# Altium PCB VCU_LAYOUT.PcbDoc (part 1 of 3) (continued)
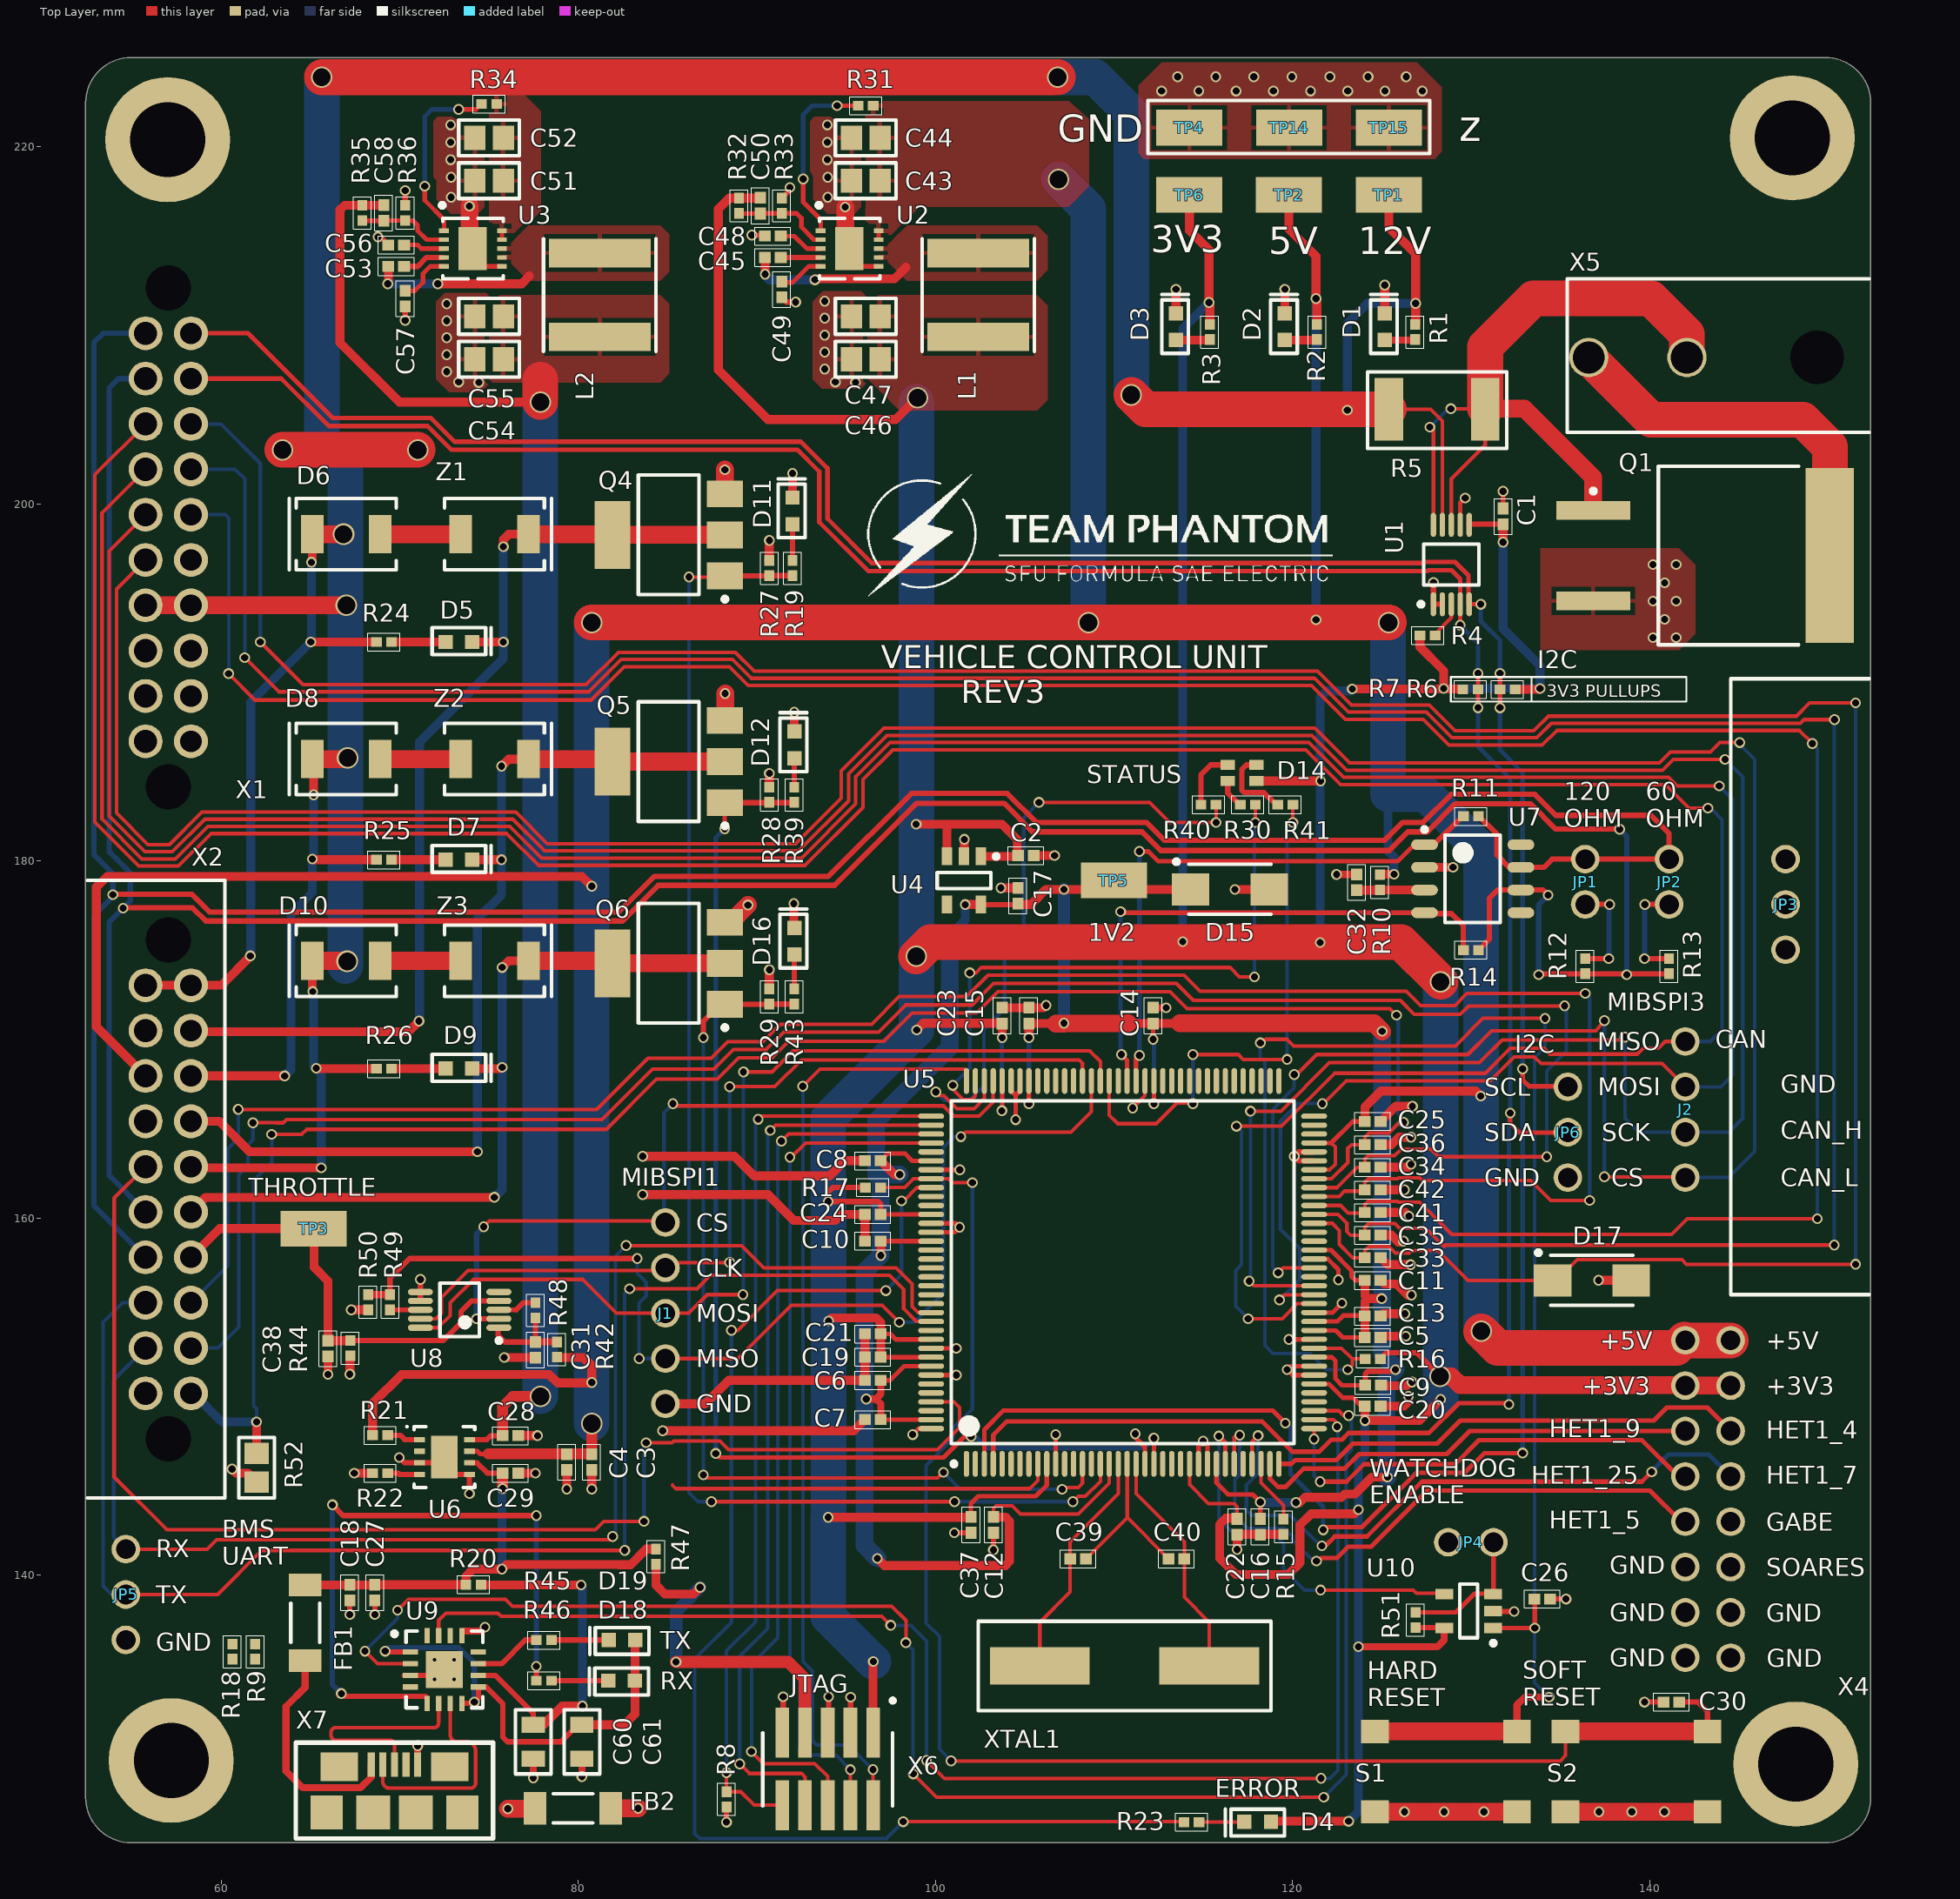
[diagram p0: Top Layer view]
## Part data (continued)
D17: library part SMAJ5.0A, "DIODE TVS_6V4 5VWM 9.2VC SMA", Clamping Voltage=9.2V, Leakage Current=800uA, Manufacturer=Littelfuse, Max Breakdown Voltage=7V, Max Operating Temperature=150°C, Max Power Dissipation=3.3W, Max Surge Current=43.5A, Min Operating Temperature=-65°C, Operating Supply Voltage=5V, Package Quantity=5000, Peak Pulse Power=400W, Power Line Protection=No, Supplier Part Number 1=SMAJ5.0ALFCT-ND, Test Current=10mA, Breakdown Voltage=6.4V, ComponentLink1Description=https://datasheet.ciiva.com/330/littelfuse-tvs-diode-smaj-datasheet-pdf-330724.pdf, ComponentLink1URL=https://datasheet.ciiva.com/330/littelfuse-tvs-diode-smaj-datasheet-pdf-330724.pdf, ComponentLink2Description=https://datasheet.ciiva.com/330/littelfuse-tvs-diode-smaj-datasheet-pdf-330725.pdf, ComponentLink2URL=https://datasheet.ciiva.com/330/littelfuse-tvs-diode-smaj-datasheet-pdf-330725.pdf, ComponentLink3Description=https://datasheet.ciiva.com/330/littelfuse-tvs-diode-smaj-datasheet-pdf-330726.pdf, ComponentLink3URL=https://datasheet.ciiva.com/330/littelfuse-tvs-diode-smaj-datasheet-pdf-330726.pdf, ComponentLink4Description=https://datasheet.ciiva.com/16380/littelfuse-tvs-diode-smaj-16380982.pdf, ComponentLink4URL=https://datasheet.ciiva.com/16380/littelfuse-tvs-diode-smaj-16380982.pdf, ComponentLink5Description=https://datasheet.ciiva.com/25624/0900766b810f4edb-25624839.pdf, ComponentLink5URL=https://datasheet.ciiva.com/25624/0900766b810f4edb-25624839.pdf, ComponentLink6Description=https://datasheet.ciiva.com/28473/607617-28473433.pdf, ComponentLink6URL=https://datasheet.ciiva.com/28473/607617-28473433.pdf, ComponentLink7Description=https://datasheet.ciiva.com/4507/littelfuse-tvs-diode-smaj-23503-4507964.pdf, ComponentLink7URL=https://datasheet.ciiva.com/4507/littelfuse-tvs-diode-smaj-23503-4507964.pdf, ComponentLink8Description=https://datasheet.ciiva.com/8062/littelfuse-tvs-diode-smaj-8062271.pdf, ComponentLink8URL=https://datasheet.ciiva.com/8062/littelfuse-tvs-diode-smaj-8062271.pdf, Direction=Unidirectional, Element Configuration=Single, Height=2.087mm, Lead Free="Lead Free", Length=4.5mm, Manufacturer Part Number=SMAJ5.0A, Max Reverse Leakage Current=800uA, Min Breakdown Voltage=6.4V, Mount="Surface Mount", Number of Channels=1, Number of Elements=1, Number of Pins=2, Number of Unidirectional Channels=1, Packaging="Tape and Reel", Peak Pulse Current=43.5A, Polarity=Unidirectional, Power Dissipation=400W, Pricing 1="1=0.51, 10=0.359, 25=0.2948, 100=0.2359, 250=0.1716, 500=0.1394, 1000=0.1072, 2500=0.0965 (USD)", Radiation Hardening=No, REACH SVHC="No SVHC", Reverse Breakdown Voltage=6.4V, Reverse Standoff Voltage=5V, Stock 1=78251, Supplier 1=Digi-Key, Termination=SMD/SMT, Voltage Rating (DC)=5V, Width=2.79mm
FB1 FB2: library part FBMJ4516HL230NTV, "FERRITE BEAD Ind Chip Bead Multi-Layer 23Ohm 30% 100MHz Ferrite 3.5A 1806 T/R", Case/Package=1806, Case Code (Metric)=4516, DC Resistance (DCR)=14mR, Manufacturer="Taiyo Yuden", Max Current Rating=3.5A, Max Operating Temperature=125°C, Min Operating Temperature=-40°C, Package Quantity=2000, Resistance=180623R, Supplier Part Number 1=587-3857-1-ND, Test Frequency=100MHz, Tolerance=30%, Case Code (Imperial)=1806, ComponentLink1Description=http://www.mouser.com/ds/2/396/chipbeads01_e-559265.pdf, ComponentLink1URL=http://www.mouser.com/ds/2/396/chipbeads01_e-559265.pdf, ComponentLink2Description=http://ds.yuden.co.jp/TYCOMPAS/ut/detail.do?productNo=FBMJ4516HL230NTV&fileName=FBMJ4516HL230NTV_SS&mode=specSheetDownload, ComponentLink2URL=http://ds.yuden.co.jp/TYCOMPAS/ut/detail.do?productNo=FBMJ4516HL230NTV&fileName=FBMJ4516HL230NTV_SS&mode=specSheetDownload, ComponentLink3Description=https://www.yuden.co.jp/ut/product/category/emisuppression/FBMJ4516HL230NTV_SS.pdf, ComponentLink3URL=https://www.yuden.co.jp/ut/product/category/emisuppression/FBMJ4516HL230NTV_SS.pdf, Core Material=Ferrite, Depth=1.6mm, Height=1.1mm, Impedance=23R, Length=0.177inch, Manufacturer Part Number=FBMJ4516HL230NTV, Max DC Current=3.5A, Mount="Surface Mount", Number of Lines=1, Packaging="Tape and Reel", Pricing 1="1=0.26, 10=0.202, 25=0.1676, 50=0.1444, 100=0.1299, 250=0.1097, 500=0.0982, 1000=0.0837 (USD)", Stock 1=1819, Supplier 1=Digi-Key, Termination=SMD/SMT, Width=1.6mm
J1: "CONN_HeaderPins5pos WURTH ELEKTRONIK         61300511121            Board-To-Board Connector, Vertical, WR-PHD Series, Through Hole, Header, 5 Contacts, 2.54 mm", Color=Black, Manufacturer="Wurth Electronics", Supplier Part Number 1=732-5318-ND, Connector Type="Male Pin", Contact Material=Copper, Contact Mating Length=0.236inch, Contact Plating=Gold, Gender=Male, Lead Free="Lead Free", Manufacturer Part Number=61300511121, Mount="Through Hole", Number of Contacts=5, Number of Positions=5, Number of Rows=1, Packaging=Bulk, Pitch=0.1inch, Pricing 1="1=0.25, 10=0.209, 25=0.174, 50=0.145, 100=0.132, 1000=0.12 (USD)", REACH SVHC=Unknown, Stock 1=20896, Supplier 1=Digi-Key, Termination=Solder
J2: "CONN_HeaderPins4pos WURTH ELEKTRONIK         61300411121            Board-To-Board Connector, Vertical, WR-PHD Series, Through Hole, Header, 4 Contacts, 2.54 mm", Color=Black, Manufacturer="Wurth Electronics", Supplier Part Number 1=732-5317-ND, Connector Type="Male Pin", Contact Material=Copper, Contact Mating Length=0.236inch, Contact Plating=Gold, Gender=Male, Lead Free="Lead Free", Manufacturer Part Number=61300411121, Mount="Through Hole", Number of Contacts=4, Number of Positions=4, Number of Rows=1, Packaging=Bulk, Pitch=0.1inch, Pricing 1="1=0.18, 10=0.153, 25=0.1272, 50=0.106, 100=0.096, 1000=0.088 (USD)", REACH SVHC=Unknown, Stock 1=35015, Supplier 1=Digi-Key, Termination=Solder
JP1 JP2 JP4: library part M20-9990246, "CONN_HeaderPins2pos Headers & Wire Housings 02 SIL VERTICAL PIN HEADER TIN", Case/Package=SIL, Colour=Black, Contact Resistance=30mR, Current Rating=3A, Insulation Resistance=10GR, Manufacturer=Harwin, Max Operating Temperature=105°C, Min Operating Temperature=-40°C, Package Quantity=1000, Voltage Rating (AC)=750V, ComponentLink1Description=https://datasheet.ciiva.com/8046/315376-8046930.pdf, ComponentLink1URL=https://datasheet.ciiva.com/8046/315376-8046930.pdf, ComponentLink2Description=https://datasheet.ciiva.com/6833/m20-999-6833368.pdf, ComponentLink2URL=https://datasheet.ciiva.com/6833/m20-999-6833368.pdf, ComponentLink3Description=https://datasheet.ciiva.com/11745/0900766b81034e61-11745755.pdf, ComponentLink3URL=https://datasheet.ciiva.com/11745/0900766b81034e61-11745755.pdf, ComponentLink4Description=https://datasheet.ciiva.com/22660/1830818-22660571.pdf, ComponentLink4URL=https://datasheet.ciiva.com/22660/1830818-22660571.pdf, ComponentLink5Description=https://datasheet.ciiva.com/26852/getdatasheetpartid-384170-26852203.pdf, ComponentLink5URL=https://datasheet.ciiva.com/26852/getdatasheetpartid-384170-26852203.pdf, Connector Type="Male Pin", Contact Material=Bronze,Brass, Contact Mating Length=0.24inch, Contact Plating=Tin, Depth=2.54mm, Gender=Male, Housing Colour=Black, Housing Material=Nylon, Length=5.08mm, Manufacturer Part Number=M20-9990246, Max Current Rating=3A, Number of Contacts=2, Number of Positions=2, Number of Rows=1, Orientation=Straight, Packaging=Bulk, Pitch=2.54mm, Pricing 1="1=0.11, 10=0.099, 100=0.0609, 500=0.0504, 1000=0.0441, 5000=0.0378, 10000=0.0368 (USD)", Radiation Hardening=No, REACH SVHC="No SVHC", Stock 1=53577, Supplier 1=Digi-Key, Supplier Part Number 1=952-2262-ND, Termination=Solder
JP3 JP5 JP6: library part 61300311121, "CONN_HeaderPins3pos WURTH ELEKTRONIK Board-To-Board Connector, Vertical, WR-PHD Series, Through Hole, Header, 3 Contacts, 2.54 mm", Case/Package=100, Colour=Black, Manufacturer="Wurth Electronics", ComponentLink1Description=http://www.farnell.com/cad/1737268.pdf, ComponentLink1URL=http://www.farnell.com/cad/1737268.pdf, Connector Type="Male Pin", Contact Material=Copper, Contact Mating Length=0.236inch, Contact Plating=Gold, Gender=Male, Lead Free="Lead Free", Manufacturer Part Number=61300311121, Mount="Through Hole", Number of Contacts=3, Number of Positions=3, Number of Rows=1, Packaging=Bulk, Pitch=0.1inch, Pricing 1="1=0.13, 10=0.106, 25=0.088, 50=0.074, 100=0.067, 1000=0.061 (USD)", REACH SVHC=Unknown, Stock 1=57026, Supplier 1=Digi-Key, Supplier Part Number 1=732-5316-ND, Termination=Solder
L1: library part 1255AY-2R2N=P3, "IND 2.2uH 6.3A 19.2mOhm 30% 100KHz Ferrite  T/R", Case/Package=Nonstandard, Current Rating=6.3A, DC Resistance (DCR)=19.2mR, Inductance=2.2uh, Manufacturer=Murata, Manufacturer Part Number=1255AY-2R2N=P3, Max DC Current=4.7A, Supplier Part Number 1=490-10807-1-ND, Test Frequency=100kHz, Tolerance=30%, Composition=Wirewound, Core Material=Ferrite, Height - Seated (Max)=0.177inch, Length=0.248inch, Mount="Surface Mount", Packaging="Tape and Reel", Pricing 1="1=0.48, 10=0.423, 100=0.3019, 500=0.2536 (USD)", Shielding=Shielded, Stock 1=814, Supplier 1=Digi-Key, Width=0.248inch
L2: library part 1264EY-3R3N=P3, "IND 3.3µH 6.5A 25.2 mOhm Max Nonstandard", Case/Package=Nonstandard, Current Rating=6.5A, DC Resistance (DCR)=25.2mR, Inductance=3.3uh, Manufacturer=Murata, Manufacturer Part Number=1264EY-3R3N=P3, Supplier Part Number 1=490-10821-1-ND, Test Frequency=100kHz, Tolerance=30%, Composition=Wirewound, Core Material=Ferrite, Height - Seated (Max)=0.198inch, Length=0.248inch, Mount="Surface Mount", Packaging="Tape and Reel", Pricing 1="1=0.51, 10=0.443, 100=0.3163, 500=0.2657 (USD)", Shielding=Shielded, Stock 1=81, Supplier 1=Digi-Key, Width=0.248inch
Q1: "MOSFET N-CH 30V 30A 22.6mOhm Rds(ON)", Case/Package=SOT, Continuous Drain Current (ID)=30A, Drain to Source Breakdown Voltage=30V, Drain to Source Resistance=22.6mR, Gate to Source Voltage (Vgs)=20V, Input Capacitance=447pF, Manufacturer="NXP Semiconductors", Max Operating Temperature=175°C, Max Power Dissipation=41W, Min Operating Temperature=-55°C, Package Quantity=1, Supplier Part Number 1=1727-7117-1-ND, ComponentLink1Description=http://www.nxp.com/documents/data_sheet/PSMN022-30BL.pdf, ComponentLink1URL=http://www.nxp.com/documents/data_sheet/PSMN022-30BL.pdf, Contact Plating=Tin, Drain to Source Voltage (Vdss)=30V, Element Configuration=Single, Fall Time=7ns, Lead Free="Lead Free", Manufacturer Part Number=PSMN022-30BL,118, Max Dual Supply Voltage=30V, Number of Elements=1, Number of Pins=3, Packaging="Tape and Reel", Power Dissipation=41W, Pricing 1="1=0.99, 10=0.867, 100=0.6687 (USD)", Radiation Hardening=No, Rds On Max=22.6mR, Rise Time=29ns, Stock 1=8400, Supplier 1=Digi-Key, Turn-Off Delay Time=17ns, Turn-On Delay Time=12ns
Q4 Q5 Q6: "MOSFET Self-Protected Low Side Driver Automotive 4-Pin(3+Tab) SOT-223 T/R", Case/Package=TO-261-4, Manufacturer="ON Semiconductor", Max Operating Temperature=150°C, Max Output Current=7A, Min Operating Temperature=-40°C, On-State Resistance=210mR, Package Quantity=1000, Supplier Part Number 1=NCV8406ASTT1GOSDKR-ND, ComponentLink1Description=https://datasheet.ciiva.com/15265/htmls5-15265281.pdf, ComponentLink1URL=https://datasheet.ciiva.com/15265/htmls5-15265281.pdf, ComponentLink2Description=https://datasheet.ciiva.com/1956/ncv8406-d-1956280.pdf, ComponentLink2URL=https://datasheet.ciiva.com/1956/ncv8406-d-1956280.pdf, ComponentLink3Description=https://datasheet.ciiva.com/16217/ncv8406-d-16217275.pdf, ComponentLink3URL=https://datasheet.ciiva.com/16217/ncv8406-d-16217275.pdf, Fault Protection="Over Voltage,Over Temperature", Halogen Free="Halogen Free", Height=1.57mm, Interface=On/Off, Lead Free="Lead Free", Length=6.5mm, Manufacturer Part Number=NCV8406ASTT1G, Mount="Surface Mount", Number of Outputs=1, Number of Pins=4, Packaging="Tape and Reel", Pricing 1="1=1.41, 10=1.258, 100=0.981, 500=0.8104 (USD)", Radiation Hardening=No, Stock 1=277, Supplier 1=Digi-Key
R1 R6 R7 R15 R16 R17 R23 R24 R25 R26: library part RC0402JR-072K2L, "RES SMD 2.2K OHM 5% 1/16W 0402", Case/Package=0402, Case Code (Metric)=1005, Manufacturer=Yageo, Max Operating Temperature=155°C, Max Power Dissipation=63mW, Min Operating Temperature=-55°C, Package Quantity=1, Resistance=2.2kR, Supplier Part Number 1=311-2.2KJRCT-ND, Temperature Coefficient=100ppm/°C, Tolerance=5%, Voltage Rating=50V, Case Code (Imperial)=0402, Composition="Thick Film", Depth=0.5mm, Features="Moisture Resistant", Height=0.016inch, Lead Free="Lead Free", Length=1mm, Manufacturer Part Number=RC0402JR-072K2L, Military Standard=Not, Number of Terminations=2, Packaging="Tape and Reel", Power Rating=63mW, Pricing 1="1=0.1, 10=0.018, 100=0.0073, 1000=0.0033, 2500=0.0029, 5000=0.0024 (USD)", REACH SVHC=Unknown, Stock 1=7890813, Supplier 1=Digi-Key, Termination=SMD/SMT, Weight=2.3E-05oz, Width=0.02inch, Working Voltage=50V
R2: library part RC0402FR-07665RL, "RES SMD 665 OHM 1% 0402 1/16W", Case/Package=0402, Case Code (Metric)=1005, Manufacturer=Yageo, Max Operating Temperature=155°C, Max Power Dissipation=63mW, Min Operating Temperature=-55°C, Power Rating=62.5mW, Supplier Part Number 1=YAG3208CT-ND, Temperature Coefficient=100ppm/°C, Tolerance=1%, Voltage Rating=50V, Case Code (Imperial)=0402, ComponentLink1Description=http://www.yageo.com/documents/recent/PYu-RC0402_51_RoHS_L_6.pdf, ComponentLink1URL=http://www.yageo.com/documents/recent/PYu-RC0402_51_RoHS_L_6.pdf, Composition="Thick Film", Contact Plating=Matte,Tin, Depth=0.5mm, Features="Moisture Resistant", Height=0.016inch, Lead Free="Lead Free", Length=1mm, Manufacturer Part Number=RC0402FR-07665RL, Military Standard=Not, Number of Terminations=2, Packaging="Tape and Reel", Pricing 1="1=0.1, 10=0.016, 100=0.0067, 1000=0.003, 2500=0.0026, 5000=0.0022 (USD)", Resistance=665R, Stock 1=268997, Supplier 1=Digi-Key, Termination=SMD/SMT, Width=0.02inch
R3 R45 R46: library part RC0402FR-07280RL, "RES SMD 280 OHM 1% 1/16W 0402", Case/Package=0402, Case Code (Metric)=1005, Manufacturer=Yageo, Max Operating Temperature=155°C, Max Power Dissipation=63mW, Min Operating Temperature=-55°C, Package Quantity=1, Power Rating=62.5mW, Supplier Part Number 1=311-280LRCT-ND, Temperature Coefficient=100ppm/°C, Tolerance=1%, Voltage Rating=50V, Case Code (Imperial)=0402, ComponentLink1Description=http://www.yageo.com.tw/exep/pages/download/literatures/PYu-R_INT-thick_7.pdf, ComponentLink1URL=http://www.yageo.com.tw/exep/pages/download/literatures/PYu-R_INT-thick_7.pdf, ComponentLink2Description=http://www.yageo.com/documents/recent/PYu-RC_Group_51_RoHS_L_9.pdf, ComponentLink2URL=http://www.yageo.com/documents/recent/PYu-RC_Group_51_RoHS_L_9.pdf, ComponentLink3Description=http://www.yageo.com/documents/recent/PYu-RC0402_51_RoHS_L_6_r.pdf, ComponentLink3URL=http://www.yageo.com/documents/recent/PYu-RC0402_51_RoHS_L_6_r.pdf, Composition="Thick Film", Depth=0.5mm, Features="Moisture Resistant", Height=0.016inch, Lead Free="Lead Free", Length=1mm, Manufacturer Part Number=RC0402FR-07280RL, Military Standard=Not, Number of Terminations=2, Packaging="Tape and Reel", Pricing 1="1=0.1, 10=0.016, 100=0.0067, 1000=0.003, 2500=0.0026, 5000=0.0022 (USD)", Resistance=280R, Stock 1=282493, Supplier 1=Digi-Key, Termination=SMD/SMT, Voltage Rating (DC)=50V, Weight=2.3E-05oz, Width=0.5mm
R4 R8 R9 R18 R21 R27 R28 R29 R31 R34 R44 R51: library part RC0402JR-0710KL, "RES SMD 10K OHM 5% 1/16W 0402", Case/Package=0402, Case Code (Metric)=1005, Manufacturer=Yageo, Max Operating Temperature=155°C, Max Power Dissipation=63mW, Min Operating Temperature=-55°C, Package Quantity=1, Power Rating=62.5mW, Resistance=10kR, Supplier Part Number 1=311-10KJRCT-ND, Temperature Coefficient=100ppm/°C, Tolerance=5%, Voltage Rating=50V, Case Code (Imperial)=0402, Composition="Thick Film", Depth=0.5mm, Features="Moisture Resistant", Height=0.016inch, Lead Free="Lead Free", Length=1mm, Manufacturer Part Number=RC0402JR-0710KL, Military Standard=Not, Number of Terminations=2, Packaging="Tape and Reel", Pricing 1="1=0.1, 10=0.018, 100=0.0073, 1000=0.0033, 2500=0.0029, 5000=0.0024 (USD)", REACH SVHC=Unknown, Stock 1=47303622, Supplier 1=Digi-Key, Termination=SMD/SMT, Width=0.02inch
R5: library part ERJ-M1WTF1M0U, "Res Thick Film 2512 0.001 Ohm 1% 1W 250ppm/C to 450ppm/C Molded SMD Embossed Carrier T/R", Case/Package=2512, Case Code (Metric)=6432, Manufacturer="Panasonic ECG", Max Operating Temperature=170°C, Max Power Dissipation=1W, Min Operating Temperature=-55°C, Package Quantity=1, Resistance=1mR, Supplier Part Number 1=P1.0NDCT-ND, Temperature Coefficient=450ppm/°C, Tolerance=1%, Case Code (Imperial)=2512, ComponentLink1Description=https://datasheet.ciiva.com/11811/0900766b80befc3b-11811491.pdf, ComponentLink1URL=https://datasheet.ciiva.com/11811/0900766b80befc3b-11811491.pdf, ComponentLink2Description=https://datasheet.ciiva.com/9198/aoa0000ce7-9198885.pdf, ComponentLink2URL=https://datasheet.ciiva.com/9198/aoa0000ce7-9198885.pdf, ComponentLink3Description=https://datasheet.ciiva.com/7777/39800-7777943.pdf, ComponentLink3URL=https://datasheet.ciiva.com/7777/39800-7777943.pdf, ComponentLink4Description=https://datasheet.ciiva.com/16216/aoa0000ce7-16216983.pdf, ComponentLink4URL=https://datasheet.ciiva.com/16216/aoa0000ce7-16216983.pdf, ComponentLink5Description=https://datasheet.ciiva.com/24072/aoa0000ce7-60136-24072248.pdf, ComponentLink5URL=https://datasheet.ciiva.com/24072/aoa0000ce7-60136-24072248.pdf, ComponentLink6Description=https://datasheet.ciiva.com/16512/aoa0000ce7-16512553.pdf, ComponentLink6URL=https://datasheet.ciiva.com/16512/aoa0000ce7-16512553.pdf, ComponentLink7Description=https://datasheet.ciiva.com/16788/70260812-16788394.pdf, ComponentLink7URL=https://datasheet.ciiva.com/16788/70260812-16788394.pdf, ComponentLink8Description=https://datasheet.ciiva.com/5996/39800-5996507.pdf, ComponentLink8URL=https://datasheet.ciiva.com/5996/39800-5996507.pdf, ComponentLink9Description=https://datasheet.ciiva.com/17215/aoa0000ce7-17215229.pdf, ComponentLink9URL=https://datasheet.ciiva.com/17215/aoa0000ce7-17215229.pdf, ComponentLink10Description=https://datasheet.ciiva.com/30206/aoa0000ce7-30206797.pdf, ComponentLink10URL=https://datasheet.ciiva.com/30206/aoa0000ce7-30206797.pdf, ComponentLink11Description=https://datasheet.ciiva.com/16785/70260812-16785566.pdf, ComponentLink11URL=https://datasheet.ciiva.com/16785/70260812-16785566.pdf, Composition="Thick Film,Metal Strip,Metal Element", Contact Plating=Tin, Depth=3.2mm, Height=0.8mm, Lead Free="Lead Free", Length=6.4mm, Manufacturer Part Number=ERJ-M1WTF1M0U, Military Standard=Not, Mount="Surface Mount", Number of Pins=2, Number of Terminations=2, Packaging="Tape and Reel", Power Rating=1W, Pricing 1="1=0.55, 10=0.456, 25=0.3908, 50=0.3516, 100=0.3061, 250=0.2735, 500=0.2214, 1000=0.1791 (USD)", Radiation Hardening=No, REACH SVHC="No SVHC", Stock 1=36740, Supplier 1=Digi-Key, Termination=SMD/SMT, Width=0.126inch
R10 R11 R14 R20 R42 R47 R48: library part RC0402JR-070RL, "RES SMD 0 OHM 1/16W 0402", Case/Package=0402, Case Code (Metric)=1005, Manufacturer=Yageo, Max Operating Temperature=155°C, Max Power Dissipation=63mW, Min Operating Temperature=-55°C, Package Quantity=1, Power Rating=62.5mW, Resistance=0mR, Supplier Part Number 1=311-0.0JRCT-ND, Temperature Coefficient=200ppm/°C, Tolerance=5%, Voltage Rating=50V, Case Code (Imperial)=0402, Composition="Thick Film", Contact Plating=Matte,Tin, Depth=0.5mm, Features="Moisture Resistant", Height=0.016inch, Lead Free="Lead Free", Length=1mm, Manufacturer Part Number=RC0402JR-070RL, Military Standard=Not, Number of Terminations=2, Packaging="Tape and Reel", Pricing 1="1=0.1, 10=0.017, 25=0.0124, 50=0.0096, 100=0.007, 250=0.0054, 500=0.0043, 1000=0.0032, 5000=0.0023 (USD)", Radiation Hardening=No, REACH SVHC=Unknown, Stock 1=44333412, Supplier 1=Digi-Key, Termination=SMD/SMT, Width=0.02inch
R12: library part RMCF0402JT120R, "RES SMD 120 OHM 5% 0402 1/16W ±100ppm/C Molded SMD Paper T/R", Case/Package=0402, Case Code (Metric)=1005, Manufacturer="Stackpole Electronics", Max Operating Temperature=155°C, Max Power Dissipation=63mW, Min Operating Temperature=-55°C, Power Rating=62.5mW, Supplier Part Number 1=RMCF0402JT120RCT-ND, Temperature Coefficient=100ppm/°C, Tolerance=5%, Case Code (Imperial)=0402, Composition="Thick Film", Contact Plating=Matte,Tin, Features="Automotive AEC-Q200", Height=0.016inch, Lead Free="Lead Free", Length=0.039inch, Manufacturer Part Number=RMCF0402JT120R, Mount="Surface Mount", Number of Terminations=2, Packaging="Cut Tape", Pricing 1="1=0.1, 10=0.012, 100=0.005, 1000=0.0022, 2500=0.002, 5000=0.0016 (USD)", Resistance=120R, Stock 1=112024, Supplier 1=Digi-Key, Width=0.02inch
R13 R30 R40 R41: library part RMCF0402FT60R4, "RES SMD 60.4 OHM 1% 0402 1/16W 100ppm/C Molded SMD SMD Paper T/R", Case/Package=0402, Case Code (Metric)=1005, Manufacturer="Stackpole Electronics", Max Operating Temperature=155°C, Max Power Dissipation=63mW, Min Operating Temperature=-55°C, Resistance=60.4R, Supplier Part Number 1=RMCF0402FT60R4CT-ND, Temperature Coefficient=100ppm/°C, Tolerance=1%, Case Code (Imperial)=0402, Composition="Thick Film", Contact Plating=Matte,Tin, Features="Automotive AEC-Q200", Height=0.016inch, Lead Free="Lead Free", Length=0.039inch, Manufacturer Part Number=RMCF0402FT60R4, Mount="Surface Mount", Number of Terminations=2, Packaging="Tape and Reel", Pricing 1="1=0.1, 10=0.016, 100=0.0064, 1000=0.0029, 2500=0.0025, 5000=0.0021 (USD)", Radiation Hardening=No, Stock 1=29830, Supplier 1=Digi-Key, Width=0.02inch
R19 R39 R43: library part RC0402JR-0710RL, "RES SMD 10 OHM 5% 1/16W 0402", Case/Package=0402, Case Code (Metric)=1005, Manufacturer=Yageo, Max Operating Temperature=155°C, Max Power Dissipation=63mW, Min Operating Temperature=-55°C, Package Quantity=1, Supplier Part Number 1=311-10JRCT-ND, Temperature Coefficient=200ppm/°C, Tolerance=5%, Voltage Rating=50V, Case Code (Imperial)=0402, ComponentLink1Description=http://www.farnell.com/datasheets/1018594.pdf, ComponentLink1URL=http://www.farnell.com/datasheets/1018594.pdf, ComponentLink2Description=http://www.yageo.com/documents/recent/PYu-RC_Group_51_RoHS_L_10.pdf, ComponentLink2URL=http://www.yageo.com/documents/recent/PYu-RC_Group_51_RoHS_L_10.pdf, ComponentLink3Description=http://www.yageo.com/documents/recent/PYu-RC0402_51_RoHS_L_6_r.pdf, ComponentLink3URL=http://www.yageo.com/documents/recent/PYu-RC0402_51_RoHS_L_6_r.pdf, Composition="Thick Film", Depth=0.5mm, Features="Moisture Resistant", Height=0.016inch, Lead Free="Lead Free", Length=1mm, Manufacturer Part Number=RC0402JR-0710RL, Military Standard=Not, Number of Terminations=2, Packaging="Tape and Reel", Power Rating=63mW, Pricing 1="1=0.1, 10=0.019, 100=0.0079, 1000=0.0036, 2500=0.0031, 5000=0.0026 (USD)", REACH SVHC=Unknown, Resistance=10R, Stock 1=2958453, Supplier 1=Digi-Key, Termination=SMD/SMT, Width=0.02inch, Working Voltage=50V
R22 R49: library part RR0510P-102-D, "RES SMD 1K OHM 0.5% 1/16W 0402", Case/Package=0402, Case Code (Metric)=1005, Manufacturer=Susumu, Max Operating Temperature=125°C, Max Power Dissipation=63mW, Min Operating Temperature=-55°C, Package Quantity=1, Resistance=1kR, Supplier Part Number 1=RR05P1.0KDCT-ND, Temperature Coefficient=25ppm/°C, Tolerance=0.5%, Voltage Rating=25V, Case Code (Imperial)=0402, ComponentLink1Description=http://www.susumu.co.jp/common/pdf/n_catalog_partition05_en.pdf, ComponentLink1URL=http://www.susumu.co.jp/common/pdf/n_catalog_partition05_en.pdf, ComponentLink2Description=http://www.farnell.com/datasheets/1581132.pdf, ComponentLink2URL=http://www.farnell.com/datasheets/1581132.pdf, Composition="Thin Film", Height=0.016inch, Lead Free="Lead Free", Length=0.039inch, Manufacturer Part Number=RR0510P-102-D, Number of Pins=2, Number of Terminations=2, Packaging="Tape and Reel", Power Rating=63mW, Pricing 1="1=0.1, 10=0.074, 100=0.0285, 1000=0.0125, 2500=0.0108, 5000=0.0097 (USD)", REACH SVHC=Unknown, Stock 1=721157, Supplier 1=Digi-Key, Termination=SMD/SMT, Voltage Rating (DC)=25V, Width=0.02inch
R32: library part RMCF0402FT73K2, "RES SMD 73.2K Ohm 0402 1% 0.063W(1/16W) ±100ppm/C Molded SMD Automotive T/R", Case/Package=0402, Case Code (Metric)=1005, Manufacturer="Stackpole Electronics", Max Operating Temperature=155°C, Max Power Dissipation=63mW, Min Operating Temperature=-55°C, Resistance=73.2kR, Supplier Part Number 1=RMCF0402FT73K2CT-ND, Temperature Coefficient=100ppm/°C, Tolerance=1%, Case Code (Imperial)=0402, Composition="Thick Film", Contact Plating=Matte,Tin, Depth=0.5mm, Features="Automotive AEC-Q200", Height=0.016inch, Lead Free="Lead Free", Length=0.039inch, Manufacturer Part Number=RMCF0402FT73K2, Military Standard=Not, Mount="Surface Mount", Number of Terminations=2, Packaging="Tape and Reel", Pricing 1="1=0.1, 10=0.016, 100=0.0064, 1000=0.0029, 2500=0.0025, 5000=0.0021 (USD)", Stock 1=58296, Supplier 1=Digi-Key, Width=0.02inch
R33 R36: library part RMCF0402FT22K1, "RES SMD 22.1K 0402 Ohm 1% 1/16W ±100ppm/C Molded SMD SMD Paper T/R", Case/Package=0402, Case Code (Metric)=1005, Manufacturer="Stackpole Electronics", Max Operating Temperature=155°C, Max Power Dissipation=63mW, Min Operating Temperature=-55°C, Resistance=22.1kR, Supplier Part Number 1=RMCF0402FT22K1CT-ND, Temperature Coefficient=100ppm/°C, Tolerance=1%, Case Code (Imperial)=0402, Composition="Thick Film", Contact Plating=Matte,Tin, Features="Automotive AEC-Q200", Height=0.016inch, Lead Free="Lead Free", Length=0.039inch, Manufacturer Part Number=RMCF0402FT22K1, Mount="Surface Mount", Number of Terminations=2, Packaging="Tape and Reel", Pricing 1="1=0.1, 10=0.016, 100=0.0064, 1000=0.0029, 2500=0.0025, 5000=0.0021 (USD)", Radiation Hardening=No, Stock 1=115582, Supplier 1=Digi-Key, Width=0.02inch
R35: library part RMCF0402FT124K, "RES SMD 124K 0402 1% 1/16W 100ppm/C Molded SMD Paper T/R", Case/Package=0402, Case Code (Metric)=1005, Manufacturer="Stackpole Electronics", Max Operating Temperature=155°C, Max Power Dissipation=63mW, Min Operating Temperature=-55°C, Package Quantity=10000, Resistance=124kR, Supplier Part Number 1=RMCF0402FT124KCT-ND, Temperature Coefficient=100ppm/°C, Tolerance=1%, Case Code (Imperial)=0402, Composition="Thick Film", Contact Plating=Matte,Tin, Features="Automotive AEC-Q200", Height=0.016inch, Lead Free="Lead Free", Length=0.039inch, Manufacturer Part Number=RMCF0402FT124K, Mount="Surface Mount", Number of Terminations=2, Packaging="Tape and Reel", Pricing 1="1=0.1, 10=0.016, 100=0.0064, 1000=0.0029, 2500=0.0025, 5000=0.0021 (USD)", Stock 1=25555, Supplier 1=Digi-Key, Width=0.02inch
R50: library part RC0402FR-072KL, "RES SMD 2K OHM 1% 1/16W 0402", Case/Package=0402, Case Code (Metric)=1005, Manufacturer=Yageo, Max Operating Temperature=155°C, Max Power Dissipation=63mW, Min Operating Temperature=-55°C, Package Quantity=1, Resistance=2kR, Supplier Part Number 1=311-2KLRCT-ND, Temperature Coefficient=100ppm/°C, Tolerance=1%, Voltage Rating=50V, Case Code (Imperial)=0402, ComponentLink1Description=http://www.yageo.com/documents/recent/PYu-RC_Group_51_RoHS_L_10.pdf?src-supplier=Digi-Key, ComponentLink1URL=http://www.yageo.com/documents/recent/PYu-RC_Group_51_RoHS_L_10.pdf?src-supplier=Digi-Key, ComponentLink2Description=http://documents.rs-components.com/techlib://itc_doclist_GB.htm?stockno=6186510&src-supplier=RSComponents, ComponentLink2URL=http://documents.rs-components.com/techlib://itc_doclist_GB.htm?stockno=6186510&src-supplier=RSComponents, ComponentLink3Description=https://www.verical.com/server-webapp/html/getDatasheet?partID=358921&src-supplier=Verical, ComponentLink3URL=https://www.verical.com/server-webapp/html/getDatasheet?partID=358921&src-supplier=Verical, ComponentLink4Description=http://www.mouser.com/ds/2/447/PYu-RC0402_51_RoHS_L_6_r-8721.pdf?src-supplier=Mouser, ComponentLink4URL=http://www.mouser.com/ds/2/447/PYu-RC0402_51_RoHS_L_6_r-8721.pdf?src-supplier=Mouser, ComponentLink5Description=http://www.farnell.com/datasheets/1018594.pdf?src-supplier=Element14, ComponentLink5URL=http://www.farnell.com/datasheets/1018594.pdf?src-supplier=Element14, ComponentLink6Description=http://www.farnell.com/datasheets/2167052.pdf?src-supplier=Element14, ComponentLink6URL=http://www.farnell.com/datasheets/2167052.pdf?src-supplier=Element14, Composition="Thick Film", Depth=0.5mm, Features="Moisture Resistant", Height=0.016inch, Lead Free="Lead Free", Length=1mm, Manufacturer Part Number=RC0402FR-072KL, Military Standard=Not, Number of Terminations=2, Packaging="Tape and Reel", Power Rating=63mW, Pricing 1="1=0.1, 10=0.016, 100=0.0067, 1000=0.003, 2500=0.0026, 5000=0.0022 (USD)", REACH SVHC=Unknown, Stock 1=12787794, Supplier 1=Digi-Key, Termination=SMD/SMT, Voltage Rating (DC)=50V, Width=0.02inch, Working Voltage=50V
R52: library part ESR10EZPJ330, "RES SMD 33 OHM 5% 0.4W 0805", Case/Package=0805, Case Code (Metric)=2012, Manufacturer=Rohm, Max Operating Temperature=155°C, Max Power Dissipation=400mW, Min Operating Temperature=-55°C, Package Quantity=1, Supplier Part Number 1=RHM33KCT-ND, Temperature Coefficient=200ppm/°C, Tolerance=5%, Case Code (Imperial)=0805, ComponentLink1Description=http://www.rohm.com/web/global/datasheet/ESR01MZPF/esr-e?src-supplier=Digi-Key, ComponentLink1URL=http://www.rohm.com/web/global/datasheet/ESR01MZPF/esr-e?src-supplier=Digi-Key, ComponentLink2Description=https://www.rohm.com/datasheet/ESR01MZPF/esr-e?src-supplier=Digi-Key, ComponentLink2URL=https://www.rohm.com/datasheet/ESR01MZPF/esr-e?src-supplier=Digi-Key, ComponentLink3Description=http://www1.futureelectronics.com/doc/ROHM%20SEMICONDUCTOR/ESR10EZPD.pdf?src-supplier=Future+Electronics, ComponentLink3URL=http://www1.futureelectronics.com/doc/ROHM%20SEMICONDUCTOR/ESR10EZPD.pdf?src-supplier=Future+Electronics, Composition="Thick Film", Features="Automotive AEC-Q200", Height=0.026inch, Lead Free="Lead Free", Length=0.079inch, Manufacturer Part Number=ESR10EZPJ330, Number of Terminations=2, Packaging="Tape and Reel", Power Rating=400mW, Pricing 1="1=0.1, 10=0.083, 100=0.0318, 1000=0.014, 2500=0.0121 (USD)", Resistance=33R, Stock 1=8927, Supplier 1=Digi-Key, Width=0.049inch
S1 S2: "SWITCH TACTILE SPST-NO 0.05A 12V", Case/Package=SMD/SMT, Colour=Black, Contact Resistance=100mR, Current Rating=50mA, Manufacturer="ITT C&K", Max Operating Temperature=60°C, Max Voltage Rating (DC)=12V, Min Operating Temperature=-20°C, Operating Force=160gf, Package Quantity=1000, Supplier Part Number 1=CKN9112CT-ND, Actuator Length=0.85mm, Actuator Material=Nylon,Polyamide, ComponentLink1Description=https://datasheet.ciiva.com/29903/getdatasheetpartid-786341-29903846.pdf, ComponentLink1URL=https://datasheet.ciiva.com/29903/getdatasheetpartid-786341-29903846.pdf, ComponentLink2Description=https://datasheet.ciiva.com/14920/pts645-14920733.pdf, ComponentLink2URL=https://datasheet.ciiva.com/14920/pts645-14920733.pdf, ComponentLink3Description=https://datasheet.ciiva.com/14920/pts645-14920734.pdf, ComponentLink3URL=https://datasheet.ciiva.com/14920/pts645-14920734.pdf, ComponentLink4Description=https://datasheet.ciiva.com/14920/pts645-14920735.pdf, ComponentLink4URL=https://datasheet.ciiva.com/14920/pts645-14920735.pdf, ComponentLink5Description=https://datasheet.ciiva.com/29931/getdatasheetpartid-764615-29931183.pdf, ComponentLink5URL=https://datasheet.ciiva.com/29931/getdatasheetpartid-764615-29931183.pdf, Contact Material=Silver, Contact Plating=Silver, Depth=9mm, Illumination Type=Non-Illuminated,Illuminated, Lead Free="Lead Free", Length=6mm, Manufacturer Part Number=PTS645SM43SMTR92LFS, Max Current Rating=50mA, Mechanical Life=100000Cycles, Mount="Surface Mount", Orientation=Straight, Packaging="Tape and Reel", Pricing 1="1=0.16, 10=0.157, 25=0.1516, 50=0.1462, 100=0.1381, 250=0.13, 500=0.1245 (USD)", REACH SVHC="No SVHC", Stock 1=188827, Supplier 1=Digi-Key, Switch Function=Off-Mom, Termination="Gull Wing", Throw Configuration=SPST, Voltage Rating (DC)=12V
TP1 TP2 TP3 TP4 TP5 TP6 TP14 TP15: "TEST POINT, PCB, SMT", Colour=White, Manufacturer="Keystone Electronics", Package Quantity=1, Supplier Part Number 1=36-5015CT-ND, ComponentLink1Description=https://datasheet.ciiva.com/2917/5015-2917616.pdf, ComponentLink1URL=https://datasheet.ciiva.com/2917/5015-2917616.pdf, ComponentLink2Description=https://datasheet.ciiva.com/2917/5015-2917617.pdf, ComponentLink2URL=https://datasheet.ciiva.com/2917/5015-2917617.pdf, ComponentLink3Description=https://datasheet.ciiva.com/1123/5015-1123862.pdf, ComponentLink3URL=https://datasheet.ciiva.com/1123/5015-1123862.pdf, ComponentLink4Description=https://datasheet.ciiva.com/16883/70182998-16883734.pdf, ComponentLink4URL=https://datasheet.ciiva.com/16883/70182998-16883734.pdf, Contact Material=Bronze, Contact Plating=Tin,Silver,Lead, Depth=1.01mm, Height=0.06inch, Lead Free="Lead Free", Length=2.66mm, Manufacturer Part Number=5015, Material=Bronze,Silver, Mount="Surface Mount", Number of Ports=1, Orientation=Straight, Packaging="Tape and Reel", Pricing 1="1=0.44, 10=0.421, 25=0.3604, 50=0.3064, 100=0.2944, 250=0.2644, 500=0.2524 (USD)", REACH SVHC="No SVHC", Stock 1=1937775, Supplier 1=Digi-Key, Termination=Solder, Thickness=0.01inch
U1: "IC MONITOR PWR/CURR BIDIR 10MSOP", Case/Package=VSSOP, Input Bias Current=10uA, Input Offset Voltage (Vos)=2.5uV, Manufacturer="Texas Instruments", Max Operating Temperature=125°C, Max Supply Voltage=5.5V, Min Operating Temperature=-40°C, Min Supply Voltage=2.7V, Nominal Supply Current=330uA, Output Current=10mA, Package Quantity=1, Supplier Part Number 1=296-29034-1-ND, Accuracy=0.02%, Common Mode Rejection Ratio=140dB, ComponentLink1Description=https://datasheet.ciiva.com/1939/ina226-1939633.pdf, ComponentLink1URL=https://datasheet.ciiva.com/1939/ina226-1939633.pdf, ComponentLink2Description=https://datasheet.ciiva.com/1939/ina226-1939634.pdf, ComponentLink2URL=https://datasheet.ciiva.com/1939/ina226-1939634.pdf, ComponentLink3Description=https://datasheet.ciiva.com/1939/ina226-1939635.pdf, ComponentLink3URL=https://datasheet.ciiva.com/1939/ina226-1939635.pdf, ComponentLink4Description=https://datasheet.ciiva.com/14196/ina226-14196741.pdf, ComponentLink4URL=https://datasheet.ciiva.com/14196/ina226-14196741.pdf, ComponentLink5Description=https://datasheet.ciiva.com/4875/sbos547-126280-4875559.pdf, ComponentLink5URL=https://datasheet.ciiva.com/4875/sbos547-126280-4875559.pdf, ComponentLink6Description=https://datasheet.ciiva.com/22693/1840205-22693516.pdf, ComponentLink6URL=https://datasheet.ciiva.com/22693/1840205-22693516.pdf, Contact Plating=Gold, Lead Free="Lead Free", Manufacturer Part Number=INA226AIDGSR, Mount="Surface Mount", Number of Pins=10, Packaging="Tape and Reel", Pricing 1="1=2.95, 10=2.648, 100=2.1692, 500=1.8466, 1000=1.5574 (USD)", Radiation Hardening=No, REACH SVHC="No SVHC", Stock 1=62674, Supplier 1=Digi-Key
U2 U3: "IC BUCK SYNC 5A, 18V VIN MAX 650kHz COT Step-Down Conv", Manufacturer=Diodes, Max Input Voltage=18V, Max Operating Temperature=85°C, Max Output Voltage=6V, Min Input Voltage=4.5V, Min Operating Temperature=-40°C, Min Output Voltage=760mV, Operating Supply Current=900uA, Output Current=5A, Package Quantity=3000, Supplier Part Number 1=AP65550FN-7DICT-ND, Switching Frequency=650kHz, Lead Free="Lead Free", Manufacturer Part Number=AP65550FN-7, Min Supply Voltage=4.5V, Mount="Surface Mount", Number of Outputs=1, Output Configuration=Positive, Output Type=Adjustable, Output Voltage=6V, Packaging="Tape and Reel", Pricing 1="1=0.77, 10=0.68, 100=0.5212, 500=0.412, 1000=0.3296 (USD)", Stock 1=135, Supplier 1=Digi-Key, Synchronous Rectifier=Yes